# Altium PCB CC_V1.4.PcbDoc (part 1 of 8) (continued)
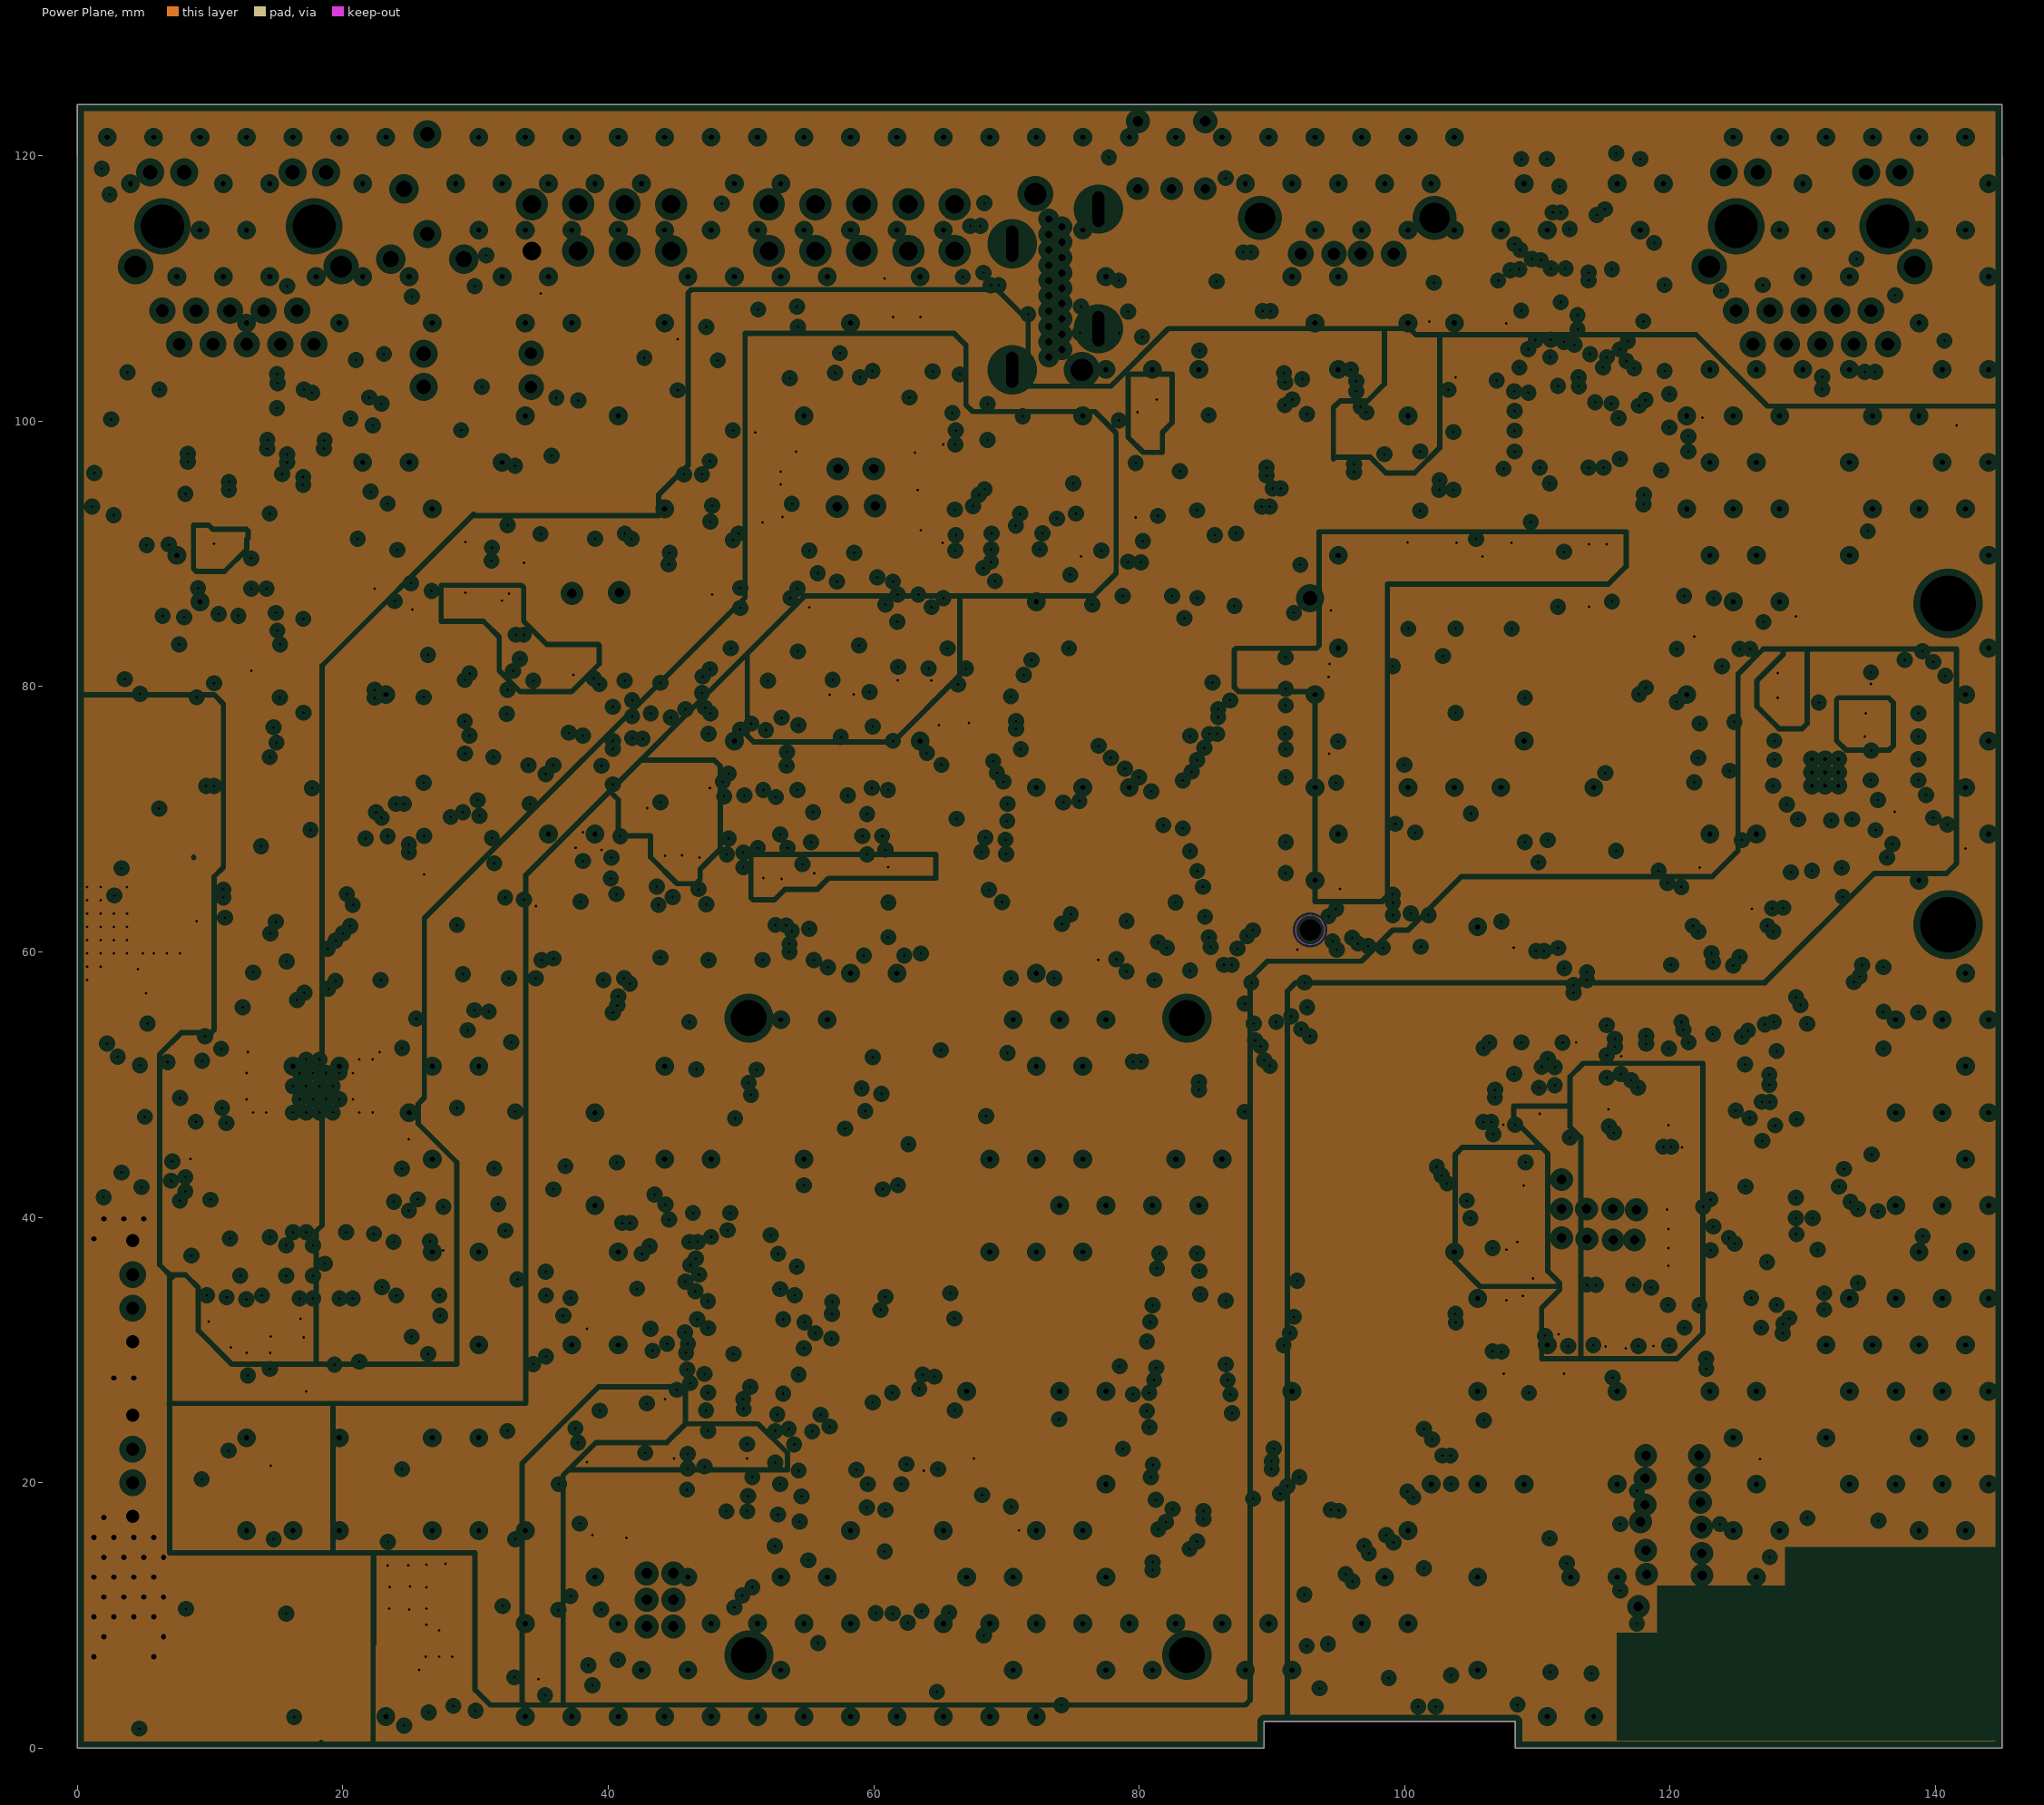
[diagram p3: Power Plane, clearances drawn from the general rule]

## Layer stack, top to bottom
Top Solder: solder mask 0.0102, Solder Resist, Dk 3.5
Top: signal copper 0.0175
Dielectric 1: core 0.133, FR-4, Dk 4.2
GND: plane copper 0.036, net (Multiple Nets)
Dielectric 2: prepreg 1.2, FR-4, Dk 4.2
Power Plane: plane copper 0.036, net (Multiple Nets)
Dielectric 3: core 0.133, FR-4, Dk 4.2
Bottom: signal copper 0.0175
Bottom Solder: solder mask 0.0102, Solder Resist, Dk 3.5

## Board outline
0,0 0,120 0,123.843 0.01,123.853 144.987,123.853 145,123.84 145,120 145,0 108.345,0 108.345,2.013 89.415,2.013 89.415,0

## Design rules (kind name [scope] priority, off if disabled: settings)
Clearance [All] p1: gap=0.254 ignorepadtopadclearanceinfootprint=FALSE except(0: Arc-Hole Track-Hole SMDPad-THPad SMDPad-Hole THPad-THPad THPad-Text THPad-Hole Via-Hole Fill-Hole Poly-Hole Region-Hole Text-Hole; 0.15: Arc-Arc Arc-Track Arc-SMDPad Track-Track Track-SMDPad SMDPad-SMDPad; 0.2: Via-Via)
DiffPairsRouting HDMI [InDifferentialPairClass('HDMI')] p1: maxlimit=0.3 minlimit=0.15 mostfreqgap=0.2 toplayer_minwidth=0.15 toplayer_maxwidth=0.4 toplayer_prefwidth=0.167 bottomlayer_minwidth=0.15 bottomlayer_maxwidth=0.4 bottomlayer_prefwidth=0.167 substack1={FAF2965B-4A37-43E7-BF19-BB432B448FDE} toplayer_{faf2965b-4a37-43e7-bf19-bb432b448fde}_minwidth=0.381 toplayer_{faf2965b-4a37-43e7-bf19-bb432b448fde}_maxwidth=0.381 toplayer_{faf2965b-4a37-43e7-bf19-bb432b448fde}_prefwidth=0.381 bottomlayer_{faf2965b-4a37-43e7-bf19-bb432b448fde}_minwidth=0.381 bottomlayer_{faf2965b-4a37-43e7-bf19-bb432b448fde}_maxwidth=0.381 bottomlayer_{faf2965b-4a37-43e7-bf19-bb432b448fde}_prefwidth=0.381 substack2={D1B37811-7EB0-487B-BDC3-021ECBD70AF4} toplayer_{d1b37811-7eb0-487b-bdc3-021ecbd70af4}_minwidth=0.381 toplayer_{d1b37811-7eb0-487b-bdc3-021ecbd70af4}_maxwidth=0.381 toplayer_{d1b37811-7eb0-487b-bdc3-021ecbd70af4}_prefwidth=0.381 bottomlayer_{d1b37811-7eb0-487b-bdc3-021ecbd70af4}_minwidth=0.381 bottomlayer_{d1b37811-7eb0-487b-bdc3-021ecbd70af4}_maxwidth=0.381 bottomlayer_{d1b37811-7eb0-487b-bdc3-021ecbd70af4}_prefwidth=0.381 maxuncoupledlength=12.7
DiffPairsRouting 90Ohm_USB [InDifferentialPairClass('USBCM')] p2: maxlimit=0.254 minlimit=0.15 mostfreqgap=0.2 toplayer_minwidth=0.21 toplayer_maxwidth=0.25 toplayer_prefwidth=0.22 bottomlayer_minwidth=0.21 bottomlayer_maxwidth=0.25 bottomlayer_prefwidth=0.22 substack1={FAF2965B-4A37-43E7-BF19-BB432B448FDE} toplayer_{faf2965b-4a37-43e7-bf19-bb432b448fde}_minwidth=0.381 toplayer_{faf2965b-4a37-43e7-bf19-bb432b448fde}_maxwidth=0.381 toplayer_{faf2965b-4a37-43e7-bf19-bb432b448fde}_prefwidth=0.381 bottomlayer_{faf2965b-4a37-43e7-bf19-bb432b448fde}_minwidth=0.381 bottomlayer_{faf2965b-4a37-43e7-bf19-bb432b448fde}_maxwidth=0.381 bottomlayer_{faf2965b-4a37-43e7-bf19-bb432b448fde}_prefwidth=0.381 substack2={D1B37811-7EB0-487B-BDC3-021ECBD70AF4} toplayer_{d1b37811-7eb0-487b-bdc3-021ecbd70af4}_minwidth=0.381 toplayer_{d1b37811-7eb0-487b-bdc3-021ecbd70af4}_maxwidth=0.381 toplayer_{d1b37811-7eb0-487b-bdc3-021ecbd70af4}_prefwidth=0.381 bottomlayer_{d1b37811-7eb0-487b-bdc3-021ecbd70af4}_minwidth=0.381 bottomlayer_{d1b37811-7eb0-487b-bdc3-021ecbd70af4}_maxwidth=0.381 bottomlayer_{d1b37811-7eb0-487b-bdc3-021ecbd70af4}_prefwidth=0.381 maxuncoupledlength=12.7
DiffPairsRouting Micro_USB_C [InDifferentialPairClass('Micro_USB_C')] p3: maxlimit=0.254 minlimit=0.15 mostfreqgap=0.2 toplayer_minwidth=0.15 toplayer_maxwidth=0.25 toplayer_prefwidth=0.22 bottomlayer_minwidth=0.15 bottomlayer_maxwidth=0.25 bottomlayer_prefwidth=0.22 substack1={FAF2965B-4A37-43E7-BF19-BB432B448FDE} toplayer_{faf2965b-4a37-43e7-bf19-bb432b448fde}_minwidth=0.381 toplayer_{faf2965b-4a37-43e7-bf19-bb432b448fde}_maxwidth=0.381 toplayer_{faf2965b-4a37-43e7-bf19-bb432b448fde}_prefwidth=0.381 bottomlayer_{faf2965b-4a37-43e7-bf19-bb432b448fde}_minwidth=0.381 bottomlayer_{faf2965b-4a37-43e7-bf19-bb432b448fde}_maxwidth=0.381 bottomlayer_{faf2965b-4a37-43e7-bf19-bb432b448fde}_prefwidth=0.381 substack2={D1B37811-7EB0-487B-BDC3-021ECBD70AF4} toplayer_{d1b37811-7eb0-487b-bdc3-021ecbd70af4}_minwidth=0.381 toplayer_{d1b37811-7eb0-487b-bdc3-021ecbd70af4}_maxwidth=0.381 toplayer_{d1b37811-7eb0-487b-bdc3-021ecbd70af4}_prefwidth=0.381 bottomlayer_{d1b37811-7eb0-487b-bdc3-021ecbd70af4}_minwidth=0.381 bottomlayer_{d1b37811-7eb0-487b-bdc3-021ecbd70af4}_maxwidth=0.381 bottomlayer_{d1b37811-7eb0-487b-bdc3-021ecbd70af4}_prefwidth=0.381 maxuncoupledlength=12.7
DiffPairsRouting USB0 [InDifferentialPair('USB0')] p4: maxlimit=0.254 minlimit=0.15 mostfreqgap=0.2 toplayer_minwidth=0.15 toplayer_maxwidth=0.25 toplayer_prefwidth=0.22 bottomlayer_minwidth=0.15 bottomlayer_maxwidth=0.25 bottomlayer_prefwidth=0.22 substack1={FAF2965B-4A37-43E7-BF19-BB432B448FDE} toplayer_{faf2965b-4a37-43e7-bf19-bb432b448fde}_minwidth=0.381 toplayer_{faf2965b-4a37-43e7-bf19-bb432b448fde}_maxwidth=0.381 toplayer_{faf2965b-4a37-43e7-bf19-bb432b448fde}_prefwidth=0.381 bottomlayer_{faf2965b-4a37-43e7-bf19-bb432b448fde}_minwidth=0.381 bottomlayer_{faf2965b-4a37-43e7-bf19-bb432b448fde}_maxwidth=0.381 bottomlayer_{faf2965b-4a37-43e7-bf19-bb432b448fde}_prefwidth=0.381 substack2={D1B37811-7EB0-487B-BDC3-021ECBD70AF4} toplayer_{d1b37811-7eb0-487b-bdc3-021ecbd70af4}_minwidth=0.381 toplayer_{d1b37811-7eb0-487b-bdc3-021ecbd70af4}_maxwidth=0.381 toplayer_{d1b37811-7eb0-487b-bdc3-021ecbd70af4}_prefwidth=0.381 bottomlayer_{d1b37811-7eb0-487b-bdc3-021ecbd70af4}_minwidth=0.381 bottomlayer_{d1b37811-7eb0-487b-bdc3-021ecbd70af4}_maxwidth=0.381 bottomlayer_{d1b37811-7eb0-487b-bdc3-021ecbd70af4}_prefwidth=0.381 maxuncoupledlength=12.7
DiffPairsRouting USB_CM [InDifferentialPairClass('USB_CM')] p5: maxlimit=0.254 minlimit=0.15 mostfreqgap=0.2 toplayer_minwidth=0.15 toplayer_maxwidth=0.25 toplayer_prefwidth=0.22 bottomlayer_minwidth=0.15 bottomlayer_maxwidth=0.25 bottomlayer_prefwidth=0.22 substack1={FAF2965B-4A37-43E7-BF19-BB432B448FDE} toplayer_{faf2965b-4a37-43e7-bf19-bb432b448fde}_minwidth=0.381 toplayer_{faf2965b-4a37-43e7-bf19-bb432b448fde}_maxwidth=0.381 toplayer_{faf2965b-4a37-43e7-bf19-bb432b448fde}_prefwidth=0.381 bottomlayer_{faf2965b-4a37-43e7-bf19-bb432b448fde}_minwidth=0.381 bottomlayer_{faf2965b-4a37-43e7-bf19-bb432b448fde}_maxwidth=0.381 bottomlayer_{faf2965b-4a37-43e7-bf19-bb432b448fde}_prefwidth=0.381 substack2={D1B37811-7EB0-487B-BDC3-021ECBD70AF4} toplayer_{d1b37811-7eb0-487b-bdc3-021ecbd70af4}_minwidth=0.381 toplayer_{d1b37811-7eb0-487b-bdc3-021ecbd70af4}_maxwidth=0.381 toplayer_{d1b37811-7eb0-487b-bdc3-021ecbd70af4}_prefwidth=0.381 bottomlayer_{d1b37811-7eb0-487b-bdc3-021ecbd70af4}_minwidth=0.381 bottomlayer_{d1b37811-7eb0-487b-bdc3-021ecbd70af4}_maxwidth=0.381 bottomlayer_{d1b37811-7eb0-487b-bdc3-021ecbd70af4}_prefwidth=0.381 maxuncoupledlength=12.7
DiffPairsRouting USB0_slave [InDifferentialPairClass('USB_slave')] p6: maxlimit=0.254 minlimit=0.15 mostfreqgap=0.2 toplayer_minwidth=0.15 toplayer_maxwidth=0.25 toplayer_prefwidth=0.22 bottomlayer_minwidth=0.15 bottomlayer_maxwidth=0.25 bottomlayer_prefwidth=0.22 substack1={FAF2965B-4A37-43E7-BF19-BB432B448FDE} toplayer_{faf2965b-4a37-43e7-bf19-bb432b448fde}_minwidth=0.381 toplayer_{faf2965b-4a37-43e7-bf19-bb432b448fde}_maxwidth=0.381 toplayer_{faf2965b-4a37-43e7-bf19-bb432b448fde}_prefwidth=0.381 bottomlayer_{faf2965b-4a37-43e7-bf19-bb432b448fde}_minwidth=0.381 bottomlayer_{faf2965b-4a37-43e7-bf19-bb432b448fde}_maxwidth=0.381 bottomlayer_{faf2965b-4a37-43e7-bf19-bb432b448fde}_prefwidth=0.381 substack2={D1B37811-7EB0-487B-BDC3-021ECBD70AF4} toplayer_{d1b37811-7eb0-487b-bdc3-021ecbd70af4}_minwidth=0.381 toplayer_{d1b37811-7eb0-487b-bdc3-021ecbd70af4}_maxwidth=0.381 toplayer_{d1b37811-7eb0-487b-bdc3-021ecbd70af4}_prefwidth=0.381 bottomlayer_{d1b37811-7eb0-487b-bdc3-021ecbd70af4}_minwidth=0.381 bottomlayer_{d1b37811-7eb0-487b-bdc3-021ecbd70af4}_maxwidth=0.381 bottomlayer_{d1b37811-7eb0-487b-bdc3-021ecbd70af4}_prefwidth=0.381 maxuncoupledlength=12.7
DiffPairsRouting MIPI_1 [InDifferentialPairClass('MIPI')] p7: maxlimit=0.254 minlimit=0.15 mostfreqgap=0.15 toplayer_minwidth=0.15 toplayer_maxwidth=0.2 toplayer_prefwidth=0.15 bottomlayer_minwidth=0.15 bottomlayer_maxwidth=0.2 bottomlayer_prefwidth=0.15 substack1={FAF2965B-4A37-43E7-BF19-BB432B448FDE} toplayer_{faf2965b-4a37-43e7-bf19-bb432b448fde}_minwidth=0.381 toplayer_{faf2965b-4a37-43e7-bf19-bb432b448fde}_maxwidth=0.381 toplayer_{faf2965b-4a37-43e7-bf19-bb432b448fde}_prefwidth=0.381 bottomlayer_{faf2965b-4a37-43e7-bf19-bb432b448fde}_minwidth=0.381 bottomlayer_{faf2965b-4a37-43e7-bf19-bb432b448fde}_maxwidth=0.381 bottomlayer_{faf2965b-4a37-43e7-bf19-bb432b448fde}_prefwidth=0.381 substack2={D1B37811-7EB0-487B-BDC3-021ECBD70AF4} toplayer_{d1b37811-7eb0-487b-bdc3-021ecbd70af4}_minwidth=0.381 toplayer_{d1b37811-7eb0-487b-bdc3-021ecbd70af4}_maxwidth=0.381 toplayer_{d1b37811-7eb0-487b-bdc3-021ecbd70af4}_prefwidth=0.381 bottomlayer_{d1b37811-7eb0-487b-bdc3-021ecbd70af4}_minwidth=0.381 bottomlayer_{d1b37811-7eb0-487b-bdc3-021ecbd70af4}_maxwidth=0.381 bottomlayer_{d1b37811-7eb0-487b-bdc3-021ecbd70af4}_prefwidth=0.381 maxuncoupledlength=12.7
DiffPairsRouting 100Ohm_DiffPair_HDMI [InDifferentialPairClass('HDMI')] p8: maxlimit=0.254 minlimit=0.15 mostfreqgap=0.15 toplayer_minwidth=0.15 toplayer_maxwidth=0.2 toplayer_prefwidth=0.15 bottomlayer_minwidth=0.15 bottomlayer_maxwidth=0.2 bottomlayer_prefwidth=0.15 substack1={FAF2965B-4A37-43E7-BF19-BB432B448FDE} toplayer_{faf2965b-4a37-43e7-bf19-bb432b448fde}_minwidth=0.381 toplayer_{faf2965b-4a37-43e7-bf19-bb432b448fde}_maxwidth=0.381 toplayer_{faf2965b-4a37-43e7-bf19-bb432b448fde}_prefwidth=0.381 bottomlayer_{faf2965b-4a37-43e7-bf19-bb432b448fde}_minwidth=0.381 bottomlayer_{faf2965b-4a37-43e7-bf19-bb432b448fde}_maxwidth=0.381 bottomlayer_{faf2965b-4a37-43e7-bf19-bb432b448fde}_prefwidth=0.381 substack2={D1B37811-7EB0-487B-BDC3-021ECBD70AF4} toplayer_{d1b37811-7eb0-487b-bdc3-021ecbd70af4}_minwidth=0.381 toplayer_{d1b37811-7eb0-487b-bdc3-021ecbd70af4}_maxwidth=0.381 toplayer_{d1b37811-7eb0-487b-bdc3-021ecbd70af4}_prefwidth=0.381 bottomlayer_{d1b37811-7eb0-487b-bdc3-021ecbd70af4}_minwidth=0.381 bottomlayer_{d1b37811-7eb0-487b-bdc3-021ecbd70af4}_maxwidth=0.381 bottomlayer_{d1b37811-7eb0-487b-bdc3-021ecbd70af4}_prefwidth=0.381 maxuncoupledlength=12.7
DiffPairsRouting SPI_Ethernet [InDifferentialPairClass('SPI_ETH')] p9: maxlimit=0.254 minlimit=0.15 mostfreqgap=0.15 toplayer_minwidth=0.15 toplayer_maxwidth=0.2 toplayer_prefwidth=0.15 bottomlayer_minwidth=0.15 bottomlayer_maxwidth=0.2 bottomlayer_prefwidth=0.15 substack1={FAF2965B-4A37-43E7-BF19-BB432B448FDE} toplayer_{faf2965b-4a37-43e7-bf19-bb432b448fde}_minwidth=0.381 toplayer_{faf2965b-4a37-43e7-bf19-bb432b448fde}_maxwidth=0.381 toplayer_{faf2965b-4a37-43e7-bf19-bb432b448fde}_prefwidth=0.381 bottomlayer_{faf2965b-4a37-43e7-bf19-bb432b448fde}_minwidth=0.381 bottomlayer_{faf2965b-4a37-43e7-bf19-bb432b448fde}_maxwidth=0.381 bottomlayer_{faf2965b-4a37-43e7-bf19-bb432b448fde}_prefwidth=0.381 substack2={D1B37811-7EB0-487B-BDC3-021ECBD70AF4} toplayer_{d1b37811-7eb0-487b-bdc3-021ecbd70af4}_minwidth=0.381 toplayer_{d1b37811-7eb0-487b-bdc3-021ecbd70af4}_maxwidth=0.381 toplayer_{d1b37811-7eb0-487b-bdc3-021ecbd70af4}_prefwidth=0.381 bottomlayer_{d1b37811-7eb0-487b-bdc3-021ecbd70af4}_minwidth=0.381 bottomlayer_{d1b37811-7eb0-487b-bdc3-021ecbd70af4}_maxwidth=0.381 bottomlayer_{d1b37811-7eb0-487b-bdc3-021ecbd70af4}_prefwidth=0.381 maxuncoupledlength=12.7
DiffPairsRouting Ethernet_9514 [InDifferentialPairClass('Etherner_LAN9514')] p10: maxlimit=0.254 minlimit=0.15 mostfreqgap=0.15 toplayer_minwidth=0.15 toplayer_maxwidth=0.2 toplayer_prefwidth=0.15 bottomlayer_minwidth=0.15 bottomlayer_maxwidth=0.2 bottomlayer_prefwidth=0.15 substack1={FAF2965B-4A37-43E7-BF19-BB432B448FDE} toplayer_{faf2965b-4a37-43e7-bf19-bb432b448fde}_minwidth=0.381 toplayer_{faf2965b-4a37-43e7-bf19-bb432b448fde}_maxwidth=0.381 toplayer_{faf2965b-4a37-43e7-bf19-bb432b448fde}_prefwidth=0.381 bottomlayer_{faf2965b-4a37-43e7-bf19-bb432b448fde}_minwidth=0.381 bottomlayer_{faf2965b-4a37-43e7-bf19-bb432b448fde}_maxwidth=0.381 bottomlayer_{faf2965b-4a37-43e7-bf19-bb432b448fde}_prefwidth=0.381 substack2={D1B37811-7EB0-487B-BDC3-021ECBD70AF4} toplayer_{d1b37811-7eb0-487b-bdc3-021ecbd70af4}_minwidth=0.381 toplayer_{d1b37811-7eb0-487b-bdc3-021ecbd70af4}_maxwidth=0.381 toplayer_{d1b37811-7eb0-487b-bdc3-021ecbd70af4}_prefwidth=0.381 bottomlayer_{d1b37811-7eb0-487b-bdc3-021ecbd70af4}_minwidth=0.381 bottomlayer_{d1b37811-7eb0-487b-bdc3-021ecbd70af4}_maxwidth=0.381 bottomlayer_{d1b37811-7eb0-487b-bdc3-021ecbd70af4}_prefwidth=0.381 maxuncoupledlength=12.7
DiffPairsRouting Ethernet [InDifferentialPairClass('Etherner_LAN9514')] p11: maxlimit=0.254 minlimit=0.15 mostfreqgap=0.15 toplayer_minwidth=0.15 toplayer_maxwidth=0.2 toplayer_prefwidth=0.15 bottomlayer_minwidth=0.15 bottomlayer_maxwidth=0.2 bottomlayer_prefwidth=0.15 substack1={FAF2965B-4A37-43E7-BF19-BB432B448FDE} toplayer_{faf2965b-4a37-43e7-bf19-bb432b448fde}_minwidth=0.381 toplayer_{faf2965b-4a37-43e7-bf19-bb432b448fde}_maxwidth=0.381 toplayer_{faf2965b-4a37-43e7-bf19-bb432b448fde}_prefwidth=0.381 bottomlayer_{faf2965b-4a37-43e7-bf19-bb432b448fde}_minwidth=0.381 bottomlayer_{faf2965b-4a37-43e7-bf19-bb432b448fde}_maxwidth=0.381 bottomlayer_{faf2965b-4a37-43e7-bf19-bb432b448fde}_prefwidth=0.381 substack2={D1B37811-7EB0-487B-BDC3-021ECBD70AF4} toplayer_{d1b37811-7eb0-487b-bdc3-021ecbd70af4}_minwidth=0.381 toplayer_{d1b37811-7eb0-487b-bdc3-021ecbd70af4}_maxwidth=0.381 toplayer_{d1b37811-7eb0-487b-bdc3-021ecbd70af4}_prefwidth=0.381 bottomlayer_{d1b37811-7eb0-487b-bdc3-021ecbd70af4}_minwidth=0.381 bottomlayer_{d1b37811-7eb0-487b-bdc3-021ecbd70af4}_maxwidth=0.381 bottomlayer_{d1b37811-7eb0-487b-bdc3-021ecbd70af4}_prefwidth=0.381 maxuncoupledlength=12.7
DiffPairsRouting Ethernet_9514_Coil [InDifferentialPairClass('Ethernet_9514_Coil')] p12: maxlimit=0.254 minlimit=0.15 mostfreqgap=0.15 toplayer_minwidth=0.15 toplayer_maxwidth=0.2 toplayer_prefwidth=0.15 bottomlayer_minwidth=0.15 bottomlayer_maxwidth=0.2 bottomlayer_prefwidth=0.15 substack1={FAF2965B-4A37-43E7-BF19-BB432B448FDE} toplayer_{faf2965b-4a37-43e7-bf19-bb432b448fde}_minwidth=0.381 toplayer_{faf2965b-4a37-43e7-bf19-bb432b448fde}_maxwidth=0.381 toplayer_{faf2965b-4a37-43e7-bf19-bb432b448fde}_prefwidth=0.381 bottomlayer_{faf2965b-4a37-43e7-bf19-bb432b448fde}_minwidth=0.381 bottomlayer_{faf2965b-4a37-43e7-bf19-bb432b448fde}_maxwidth=0.381 bottomlayer_{faf2965b-4a37-43e7-bf19-bb432b448fde}_prefwidth=0.381 substack2={D1B37811-7EB0-487B-BDC3-021ECBD70AF4} toplayer_{d1b37811-7eb0-487b-bdc3-021ecbd70af4}_minwidth=0.381 toplayer_{d1b37811-7eb0-487b-bdc3-021ecbd70af4}_maxwidth=0.381 toplayer_{d1b37811-7eb0-487b-bdc3-021ecbd70af4}_prefwidth=0.381 bottomlayer_{d1b37811-7eb0-487b-bdc3-021ecbd70af4}_minwidth=0.381 bottomlayer_{d1b37811-7eb0-487b-bdc3-021ecbd70af4}_maxwidth=0.381 bottomlayer_{d1b37811-7eb0-487b-bdc3-021ecbd70af4}_prefwidth=0.381 maxuncoupledlength=12.7
DiffPairsRouting Ethernet_XRR [InDifferentialPairClass('Ethernet_XRR')] p13: maxlimit=0.254 minlimit=0.15 mostfreqgap=0.15 toplayer_minwidth=0.15 toplayer_maxwidth=0.2 toplayer_prefwidth=0.15 bottomlayer_minwidth=0.15 bottomlayer_maxwidth=0.2 bottomlayer_prefwidth=0.15 substack1={FAF2965B-4A37-43E7-BF19-BB432B448FDE} toplayer_{faf2965b-4a37-43e7-bf19-bb432b448fde}_minwidth=0.381 toplayer_{faf2965b-4a37-43e7-bf19-bb432b448fde}_maxwidth=0.381 toplayer_{faf2965b-4a37-43e7-bf19-bb432b448fde}_prefwidth=0.381 bottomlayer_{faf2965b-4a37-43e7-bf19-bb432b448fde}_minwidth=0.381 bottomlayer_{faf2965b-4a37-43e7-bf19-bb432b448fde}_maxwidth=0.381 bottomlayer_{faf2965b-4a37-43e7-bf19-bb432b448fde}_prefwidth=0.381 substack2={D1B37811-7EB0-487B-BDC3-021ECBD70AF4} toplayer_{d1b37811-7eb0-487b-bdc3-021ecbd70af4}_minwidth=0.381 toplayer_{d1b37811-7eb0-487b-bdc3-021ecbd70af4}_maxwidth=0.381 toplayer_{d1b37811-7eb0-487b-bdc3-021ecbd70af4}_prefwidth=0.381 bottomlayer_{d1b37811-7eb0-487b-bdc3-021ecbd70af4}_minwidth=0.381 bottomlayer_{d1b37811-7eb0-487b-bdc3-021ecbd70af4}_maxwidth=0.381 bottomlayer_{d1b37811-7eb0-487b-bdc3-021ecbd70af4}_prefwidth=0.381 maxuncoupledlength=12.7
DiffPairsRouting CM4_Ethernet [InDifferentialPairClass('Giga_ETH')] p14: maxlimit=0.254 minlimit=0.15 mostfreqgap=0.15 toplayer_minwidth=0.15 toplayer_maxwidth=0.2 toplayer_prefwidth=0.15 bottomlayer_minwidth=0.15 bottomlayer_maxwidth=0.2 bottomlayer_prefwidth=0.15 substack1={FAF2965B-4A37-43E7-BF19-BB432B448FDE} toplayer_{faf2965b-4a37-43e7-bf19-bb432b448fde}_minwidth=0.381 toplayer_{faf2965b-4a37-43e7-bf19-bb432b448fde}_maxwidth=0.381 toplayer_{faf2965b-4a37-43e7-bf19-bb432b448fde}_prefwidth=0.381 bottomlayer_{faf2965b-4a37-43e7-bf19-bb432b448fde}_minwidth=0.381 bottomlayer_{faf2965b-4a37-43e7-bf19-bb432b448fde}_maxwidth=0.381 bottomlayer_{faf2965b-4a37-43e7-bf19-bb432b448fde}_prefwidth=0.381 substack2={D1B37811-7EB0-487B-BDC3-021ECBD70AF4} toplayer_{d1b37811-7eb0-487b-bdc3-021ecbd70af4}_minwidth=0.381 toplayer_{d1b37811-7eb0-487b-bdc3-021ecbd70af4}_maxwidth=0.381 toplayer_{d1b37811-7eb0-487b-bdc3-021ecbd70af4}_prefwidth=0.381 bottomlayer_{d1b37811-7eb0-487b-bdc3-021ecbd70af4}_minwidth=0.381 bottomlayer_{d1b37811-7eb0-487b-bdc3-021ecbd70af4}_maxwidth=0.381 bottomlayer_{d1b37811-7eb0-487b-bdc3-021ecbd70af4}_prefwidth=0.381 maxuncoupledlength=12.7
HoleSize [All] p1: absolutevalues=TRUE maxlimit=5 minlimit=0.025 maxpercent=80.000 minpercent=20.000
HoleToHoleClearance [All] p1: gap=0.15 allowstackedmicrovias=TRUE
MinimumSolderMaskSliver [All] p1: minsoldermaskwidth=0
PlaneClearance [All] p1: clearance=0.508
PlaneConnect [All] p1: planeconnectstyle=Direct reliefexpansion=0.508 reliefentries=4 reliefconductorwidth=0.254 reliefairgap=0.254
PolygonConnect [All] p1: connectstyle=Direct reliefconductorwidth=0.254 reliefentries=4 polygonreliefangle="90 Angle" airgapwidth=0.254
RoutingVias [All] p1: holewidth=0.2 width=0.4 viastyle="Through Hole" minholewidth=0.2 minwidth=0.4 maxholewidth=0.4 maxwidth=0.7
SilkToSilkClearance [All] p1: silktosilkclearance=0
SilkToSolderMaskClearance [IsPad] p1: minsilkscreentomaskgap=0 clearancetoexposedcopper=TRUE
SolderMaskExpansion [All] p1: expansion=0.102 istentingtop=FALSE
Width [All] p1: maxlimit=0.8 minlimit=0.2 preferedwidth=0.4 substack1={FAF2965B-4A37-43E7-BF19-BB432B448FDE} substack2={D1B37811-7EB0-487B-BDC3-021ECBD70AF4}
22 further rules are at their usual default settings.
